# Altium PCB SAFETY_2019_v_3_0.PcbDoc (part 1 of 2)
Units mm, origin at the board's own origin, x right, y up, seen from the top; angles counter-clockwise.
Board outline 100 x 100 mm, 2 copper layers (Top Layer, Bottom Layer); 241 components, 142 nets, 742 pads, 116 vias.
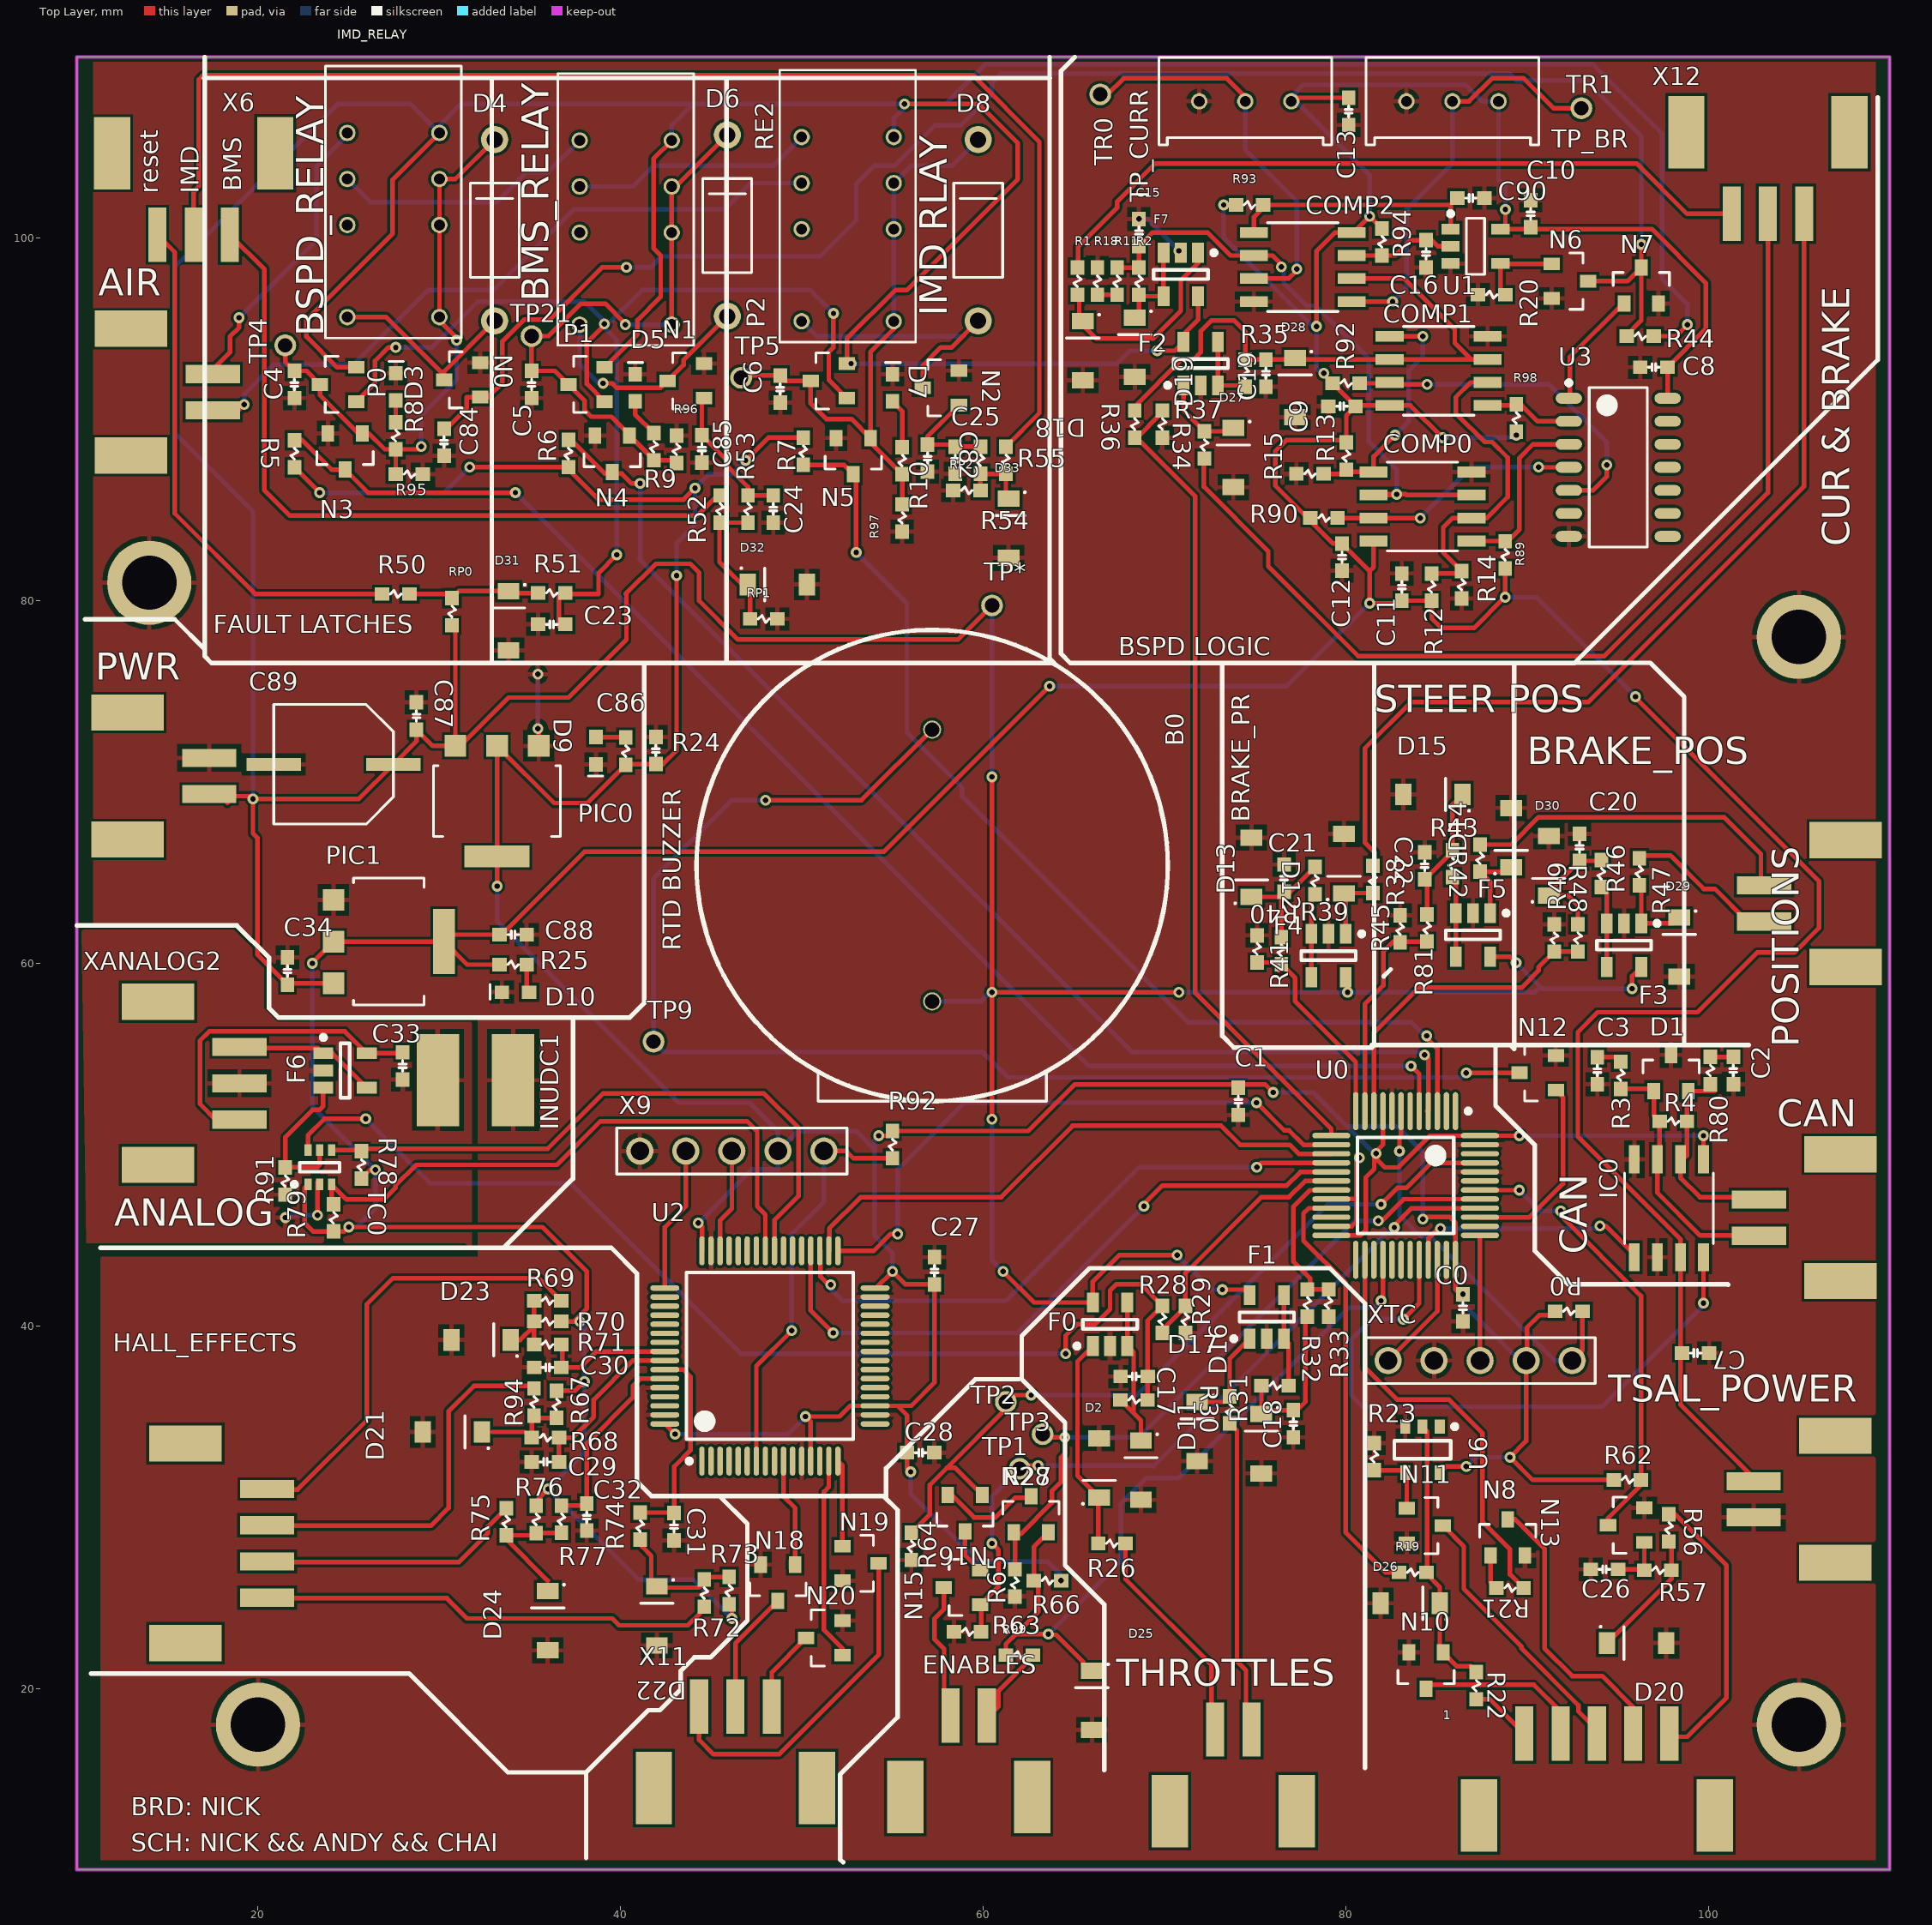
[diagram p0: Top Layer view]
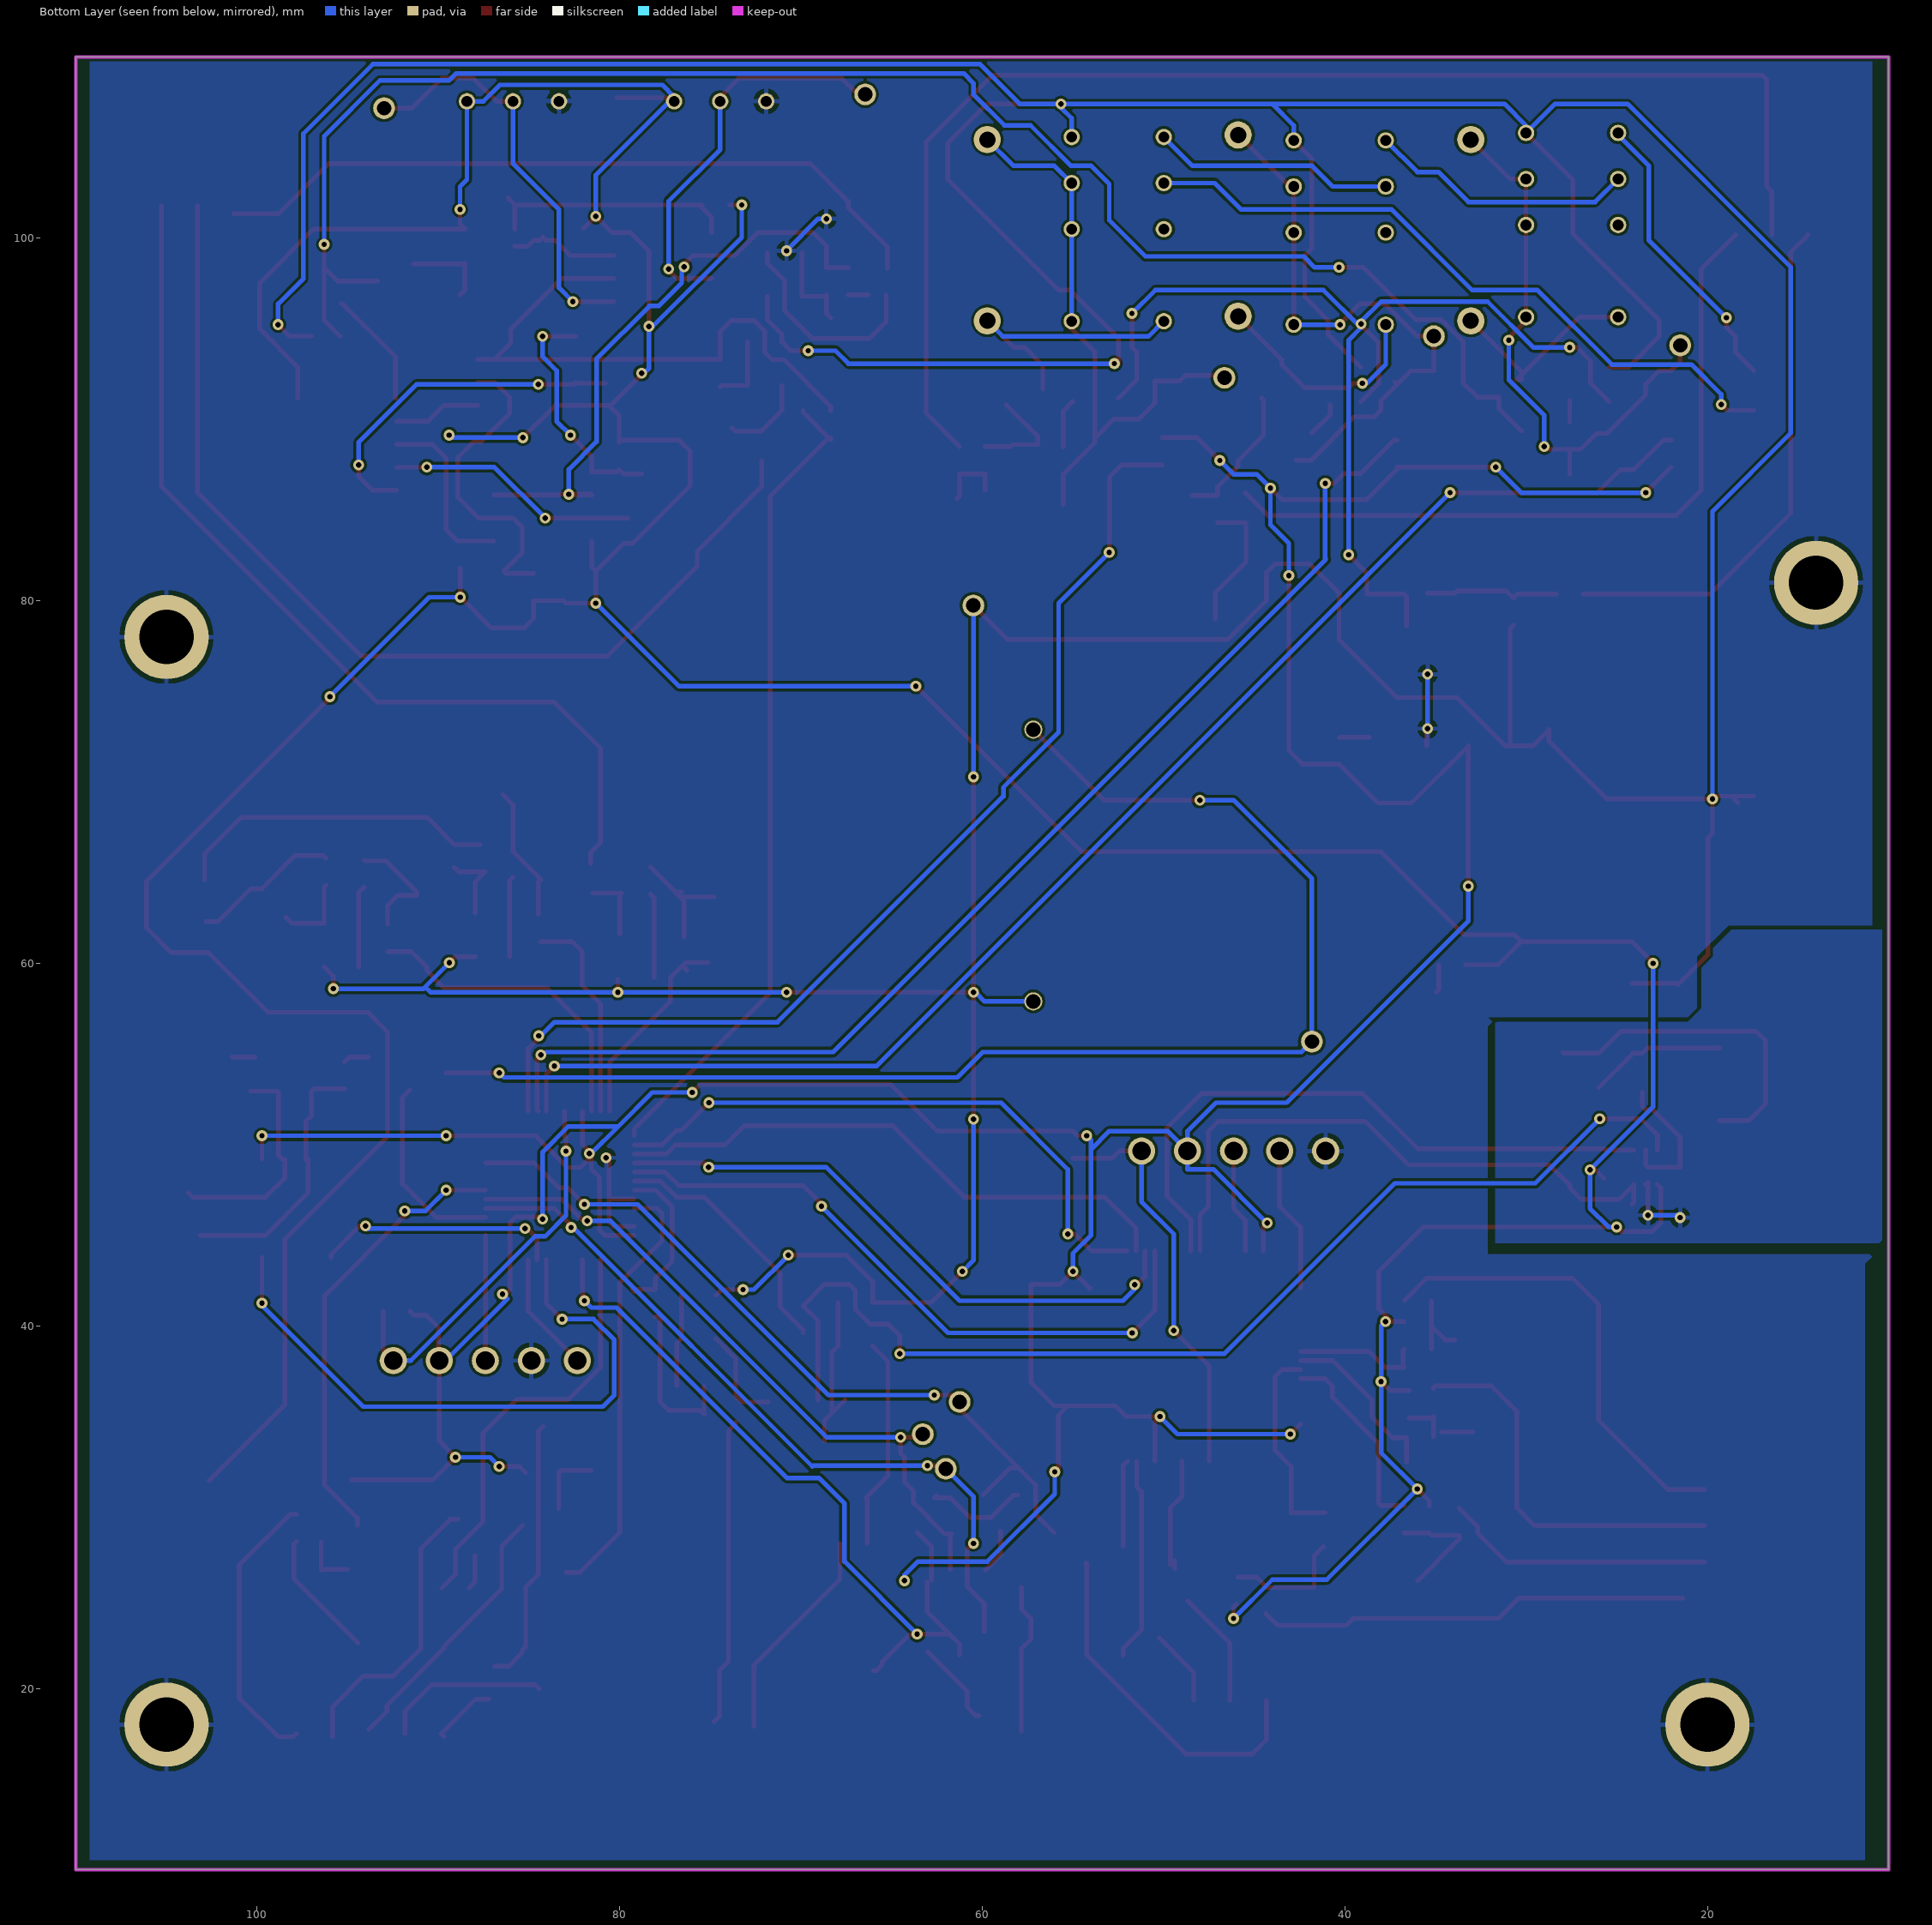
[diagram p1: Bottom Layer view, seen from below]
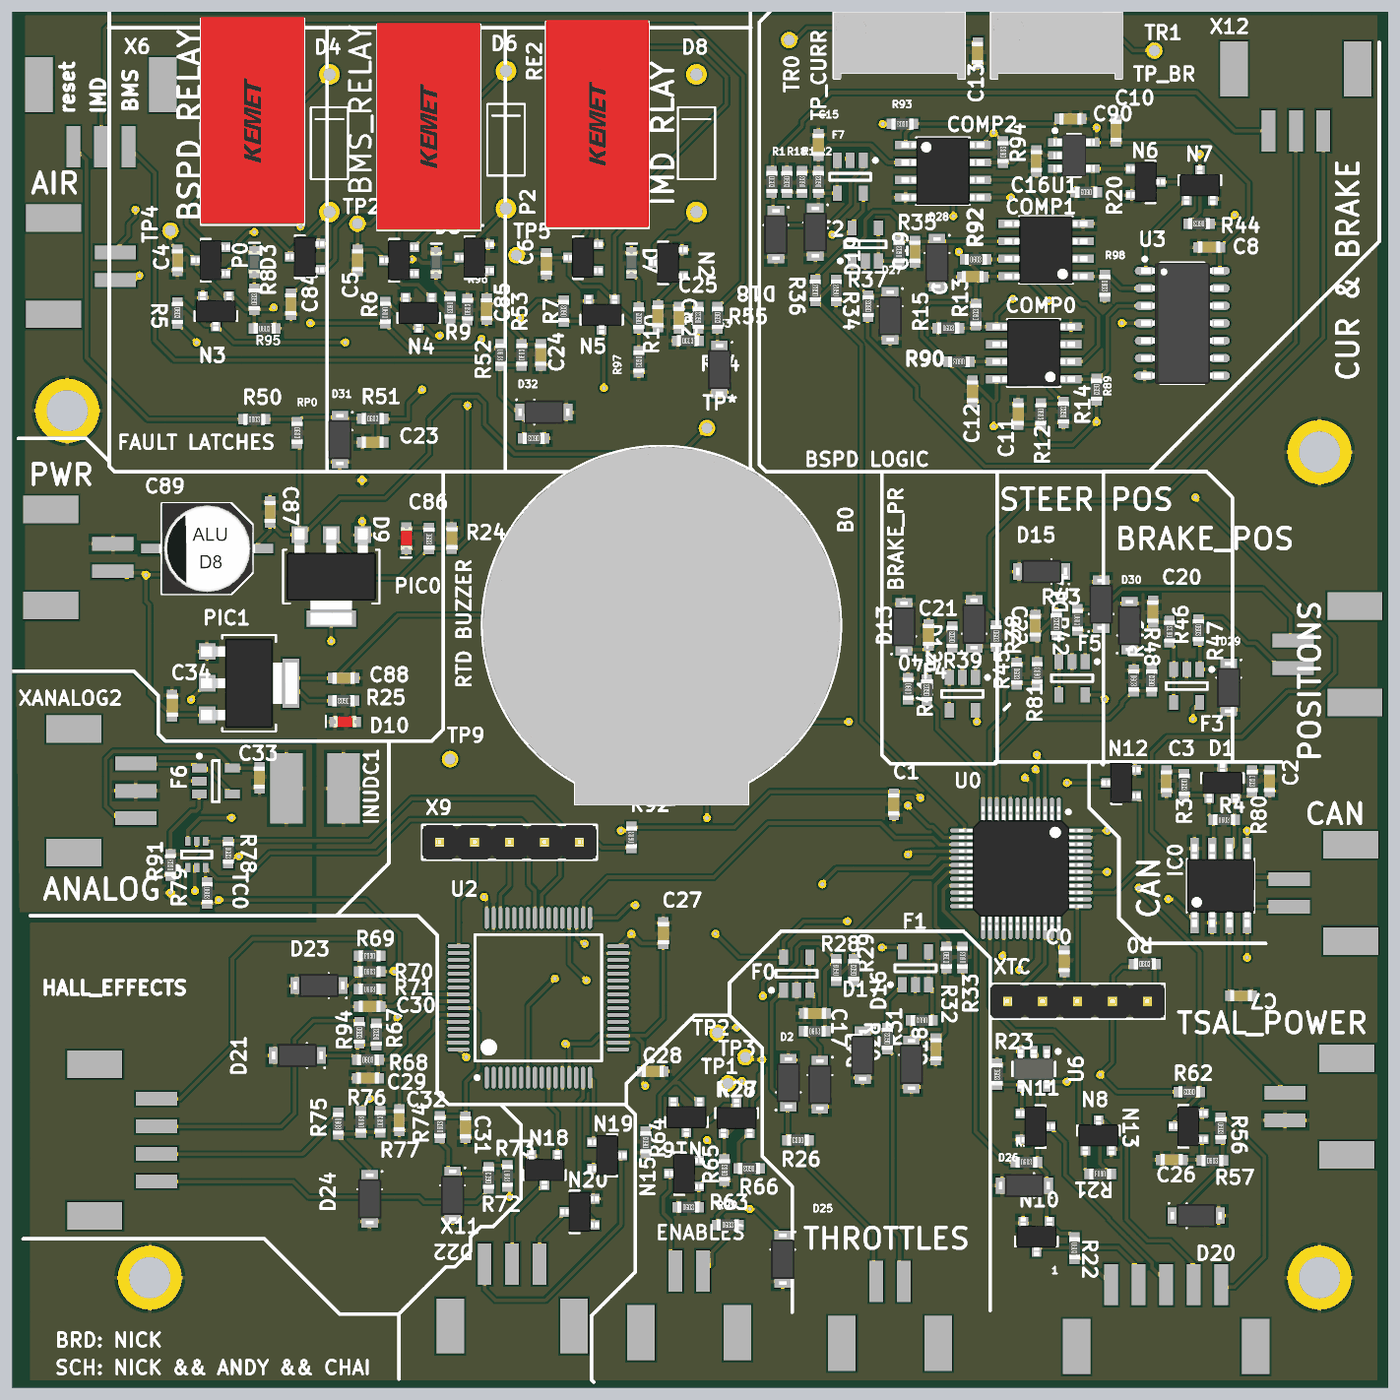
[diagram p3: 3D render of the assembled board from above, using the file's embedded part models]

## Layer stack, top to bottom
Top Solder: solder mask 0.0102, Solder Resist, Dk 3.5
Top Layer: signal copper 0.0356
Dielectric 1: dielectric 0.32, FR-4, Dk 4.8
Bottom Layer: signal copper 0.0356
Bottom Solder: solder mask 0.0102, Solder Resist, Dk 3.5

## Board outline
10,10 110,10 110,110 10,110

## Design rules (kind name [scope] priority, off if disabled: settings)
BoardOutlineClearance [All] p1: gap=0.2 ignorepadtopadclearanceinfootprint=FALSE
Clearance [All] p1: gap=0.152 ignorepadtopadclearanceinfootprint=FALSE
HoleSize [All] p1: absolutevalues=TRUE maxlimit=10 minlimit=0.3 maxpercent=80.000 minpercent=20.000
MinimumAnnularRing [All] p1: minimumring=0.076
MinimumSolderMaskSliver [All] p1: minsoldermaskwidth=0.2
PolygonConnect [All] p1: connectstyle=Relief reliefconductorwidth=0.254 reliefentries=4 polygonreliefangle="90 Angle" airgapwidth=0.254
RoutingVias [All] p1: holewidth=15 width=12.7 viastyle="Through Hole" minholewidth=0.3 minwidth=0.6 maxholewidth=0.3 maxwidth=0.6
SilkToSilkClearance [All] p1: silktosilkclearance=0
SilkToSolderMaskClearance [IsPad] p1: minsilkscreentomaskgap=0 clearancetoexposedcopper=TRUE
SolderMaskExpansion [All] p1: expansion=0.051
Width [All] p1: maxlimit=2.54 minlimit=0.152 preferedwidth=0.254
26 further rules are at their usual default settings.

## Classes and differential pairs
component class Safety_2019_V_3_0_uController: C0 C1 C2 C3 D1 IC0 R0 R3 R4 R80 U0 XTC
component class Safety_2019_V_3_0_TSAL: D26 N10 N11 R19 R22 R23 U6
component class Safety_2019_V_3_0_TC: C27 C28 C29 C30 C31 C32 C33 D21 D22 D23 D24 F6 N18 N19 N20 R67 R68 R69 R70 R71 R72 R73 R74 R75 R76 R77 R78 R79 R91 R92 R94 TC0 U2 X9
component class Safety_2019_V_3_0_RTDS: B0 N12 TP9 TP*
component class Safety_2019_V_3_0_Power_IC's: C34 C86 C87 C88 C89 D9 D10 PIC0 PIC1 R24 R25
component class Safety_2019_V_3_0_Faults: BMS_RELAY C4 C5 C6 C82 C84 C85 D3 D4 D5 D6 D7 D8 IMD_RELAY N0 N1 N2 N3 N4 N5 P0 P1 P2 R5 R6 R7 R8 R9 R10 R95 R96 R97 RE2
component class Safety_2019_V_3_0_Enable: D25 N15 N16 N28 R63 R64 R65 R66 R99
component class Safety_2019_V_3_0_Connectors: 1 AIR CAN ENABLES HALL_EFFECTS INUDC1 POSITIONS PWR THROTTLES TP1 TP2 TP3 TP4 TP5 TP21 TSAL_POWER X6 X11 X12 XANALOG2
component class Safety_2019_V_3_0_Connector_Filter: C15 C17 C18 C19 C20 C21 C22 C23 C24 C25 C26 D2 D11 D12 D13 D14 D15 D16 D17 D18 D19 D20 D27 D28 D29 D30 D31 D32 D33 F0 F1 F2 F3 F4 F5 F7 N13 R1 R2 R11 R18 R26 R27 R28 R29 R30 R31 R32 R33 R34 R35 R36 R37 R38 R39 R40 R41 R42 R43 R45 R46 R47 R48 R49 R50 R51 R52 R53 R54 R55 R56 R57 R62 R81 RP0 RP1 RP2
component class Safety_2019_V_3_0_BSPD: C7 C8 C9 C10 C11 C12 C13 C16 C90 COMP0 COMP1 COMP2 N6 N7 R12 R13 R14 R15 R20 R44 R89 R90 R92 R93 R94 R98 TP_BR TP_CURR TR0 TR1 U1 U3
component class Safety_2019_V_3_0_BRAKE_LIGHT: N8 R21

## Components (designator, comment, footprint, x,y, rotation, side; value= is the part's Value field where it differs from the comment)
1 "Molex 505575-05 5 Position 2.00mm pitch connector wire to board connector Datasheet" 505575-05 93.854,17 r180 top
AIR "Molex 505575-02 2 Position 2.00mm pitch connector wire to board connector Datasheet" 505575-02 17,91.509 r90 top
B0 "BUZZER_MAS806Q" BUZZER_MAS806Q 57.186,65.398 r270 top
BMS_RELAY "BMS RELAY" RELAY-DPDT_EC2 40.283,101.586 r90 top
C0 "1u" CAP-0603 86.465,40.995 r90 top
C1 "1u" CAP-0603 74.077,52.388 r90 top
C2 "560p" CAP-0603 101.382,54.088 r90 top
C3 "560p" CAP-0603 93.88,54.077 r90 top
C4 "10uF" CAP-0603 22.007,91.934 r270 top
C5 "10uF" CAP-0603 35.088,91.934 r270 top
C6 "10uF" CAP-0603 48.804,91.68 r270 top
C7 "0.1U" CAP-0603 99.3,38.5 r180 top
C8 "0.1u" CAP-0603 96.994,92.884 r0 top
C9 "0.1u" CAP-0603 79.792,90.73 r0 top
C10 "0.1u" CAP-0603 90.2,101.35 r270 top
C11 "0.1u" CAP-0603 83.094,80.758 r270 top
C12 "0.1u" CAP-0603 79.792,82.409 r90 top
C13 "0.1u" CAP-0603 80.161,107 r90 top
C15 "0.1u" CAP-0603 68.592,100.316 r90 top
C16 "3u" CAP-0603 84.43,99.145 r90 top
C17 "1u" CAP-0603 68.331,37.21 r180 top
C18 "1u" CAP-0603 77.113,34.6 r270 top
C19 "0.01u" CAP-0603 75.6,92.557 r270 top
C20 "0.01u" CAP-0603 92.9,66.4 r90 top
C21 "0.01u" CAP-0603 76.595,64.7 r90 top
C22 "0.01u" CAP-0603 84.355,65.38 r90 top
C23 "0.1u" CAP-0603 36.2,78.7 r0 top
C24 "0.1u" CAP-0603 48.423,85.064 r90 top
C25 "0.1u" CAP-0603 58.456,87.755 r90 top
C26 "0.1u" CAP-0603 94.27,26.569 r0 top
C27 "1u" CAP-0603 57.313,43.039 r270 top
C28 "1u" CAP-0603 56.551,33.006 r180 top
C29 "10nf" CAP-0603 35.85,32.498 r0 top
C30 "10nf" CAP-0603 35.977,37.705 r0 top
C31 "10nf" CAP-0603 42.95,28.921 r90 top
C32 "10nf" CAP-0603 38.136,29.45 r90 top
C33 "1u" CAP-0603 27.976,54.342 r90 top
C34 "4.7u" CAP-0603 21.626,59.573 r270 top
C82 "0.1u" CAP-0603 56.932,87.87 r90 top
C84 "0.1u" CAP-0603 30.262,88.75 r90 top
C85 "0.1u" CAP-0603 44.486,88.378 r90 top
C86 "2.2u" CAP-0603 41.946,71.741 r270 top
C87 "4.7u" CAP-0603 28.738,73.646 r270 top
C88 "2.2u" CAP-0603 34.073,61.581 r180 top
C89 "CAP-220uF-6.3D7.7H-SMD" CAP-6.3D7.7H-SMD 24.166,70.979 r180 top
C90 "3u" CAP-0603 86.904,102.221 r180 top
CAN "Molex 505575-02 2 Position 2.00mm pitch connector wire to board connector Datasheet" 505575-02 103.287,45.969 r270 top
COMP0 "IC-SOIC8_LM393" SOIC8 84.237,85.203 r90 top
COMP1 "IC-SOIC8_LM393" SOIC8 85.126,92.684 r90 top
COMP2 "IC-SOIC8_LM393" SOIC8 77.633,98.411 r270 top
D1 "DIODE-SOT23_PESD1CAN" SOT23 97.944,53.95 r0 top
D2 "?" SOD123 66.4,32.169 r90 top
D3 "LEDBLUE" LEDBLUE-0603 27.595,91.807 r90 top
D4 "1N914" DO41-10 33.056,100.443 r90 top
D5 "LEDBLUE" LEDBLUE-0603 40.803,91.75 r90 top
D6 "1N914" DO41-10 45.883,100.697 r90 top
D7 "LEDBLUE" LEDBLUE-0603 55,91.75 r90 top
D8 "1N914" DO41-10 59.726,100.443 r90 top
D9 "LEDRED-0603" LEDRED-0603 38.644,71.729 r270 top
D10 "LEDRED-0603" LEDRED-0603 34.2,58.406 r180 top
D11 "?" SOD123 68.7,32.035 r270 top
D12 "?" SOD123 79.9,65.5 r90 top
D13 "?" SOD123 74.801,65.3 r90 top
D14 "?" SOD123 89.13,66.935 r90 top
D15 "?" SOD123 84.812,69.317 r180 top
D16 "?" SOD123 75.344,33.5 r270 top
D17 "?" SOD123 71.8,34.171 r270 top
D18 "?" SOD123 65.5,93.8 r270 top
D19 "?" SOD123 68.362,93.982 r270 top
D20 "12V ZENER" SOD123 96.048,22.505 r0 top
D21 "?" SOD123 30.719,34.149 r180 top
D22 "?" SOD123 42,24 r270 top
D23 "?" SOD123 32.3,39.229 r180 top
D24 "?" SOD123 35.977,23.735 r270 top
D25 "12V ZENER" SOD123 66,19.345 r270 top
D26 "12V ZENER" SOD123 83.553,24.7 r180 top
D27 "?" SOD123 73.8,87.9 r270 top
D28 "?" SOD123 77.2,91.765 r270 top
D29 "?" SOD123 98.4,60.9 r270 top
D30 "?" SOD123 91.2,65.38 r90 top
D31 "12V ZENER" SOD123 33.818,78.9 r270 top
D32 "12V ZENER" SOD123 48.646,80.9 r0 top
D33 "12V ZENER" SOD123 61.4,84 r270 top
ENABLES "Molex 505575-02 2 Position 2.00mm pitch connector wire to board connector Datasheet" 505575-02 59.202,18 r180 top
F0 "LMV321M5X" MF05A_N 67,40.09 r90 top
F1 "LMV321M5X" MF05A_N 75.645,40.492 r90 top
F2 "LM321" MF05A_N 72,93.084 r90 top
F3 "LMV321M5X" MF05A_N 95.352,61.003 r270 top
F4 "LMV321M5X" MF05A_N 79.05,60.427 r270 top
F5 "LMV321M5X" MF05A_N 87.022,61.57 r270 top
F6 "LMV321M5X" MF05A_N 24.801,54.088 r0 top
F7 "LMV321M5X" MF05A_N 70.902,98 r270 top
HALL_EFFECTS "Molex 505575-04 4 Position 2.00mm pitch connector wire to board connector Datasheet" 505575-04 20,28.005 r90 top
IC0 "IC-SOIC8_MCP2562" SOIC8 97.826,46.489 r0 top
IMD_RELAY "IMD_RELAY" RELAY-DPDT_EC2 27.466,102 r90 top
INUDC1 "6045" IND-6045 31.997,53.556 r180 top
N0 "NMOS-SOT23" SOT23 31.262,92.188 r90 top
N1 "NMOS-SOT23" SOT23 43.597,92.134 r90 top
N2 "NMOS-SOT23" SOT23 57.663,91.75 r90 top
N3 "NMOS-SOT23" SOT23 24.801,88.235 r180 top
N4 "NMOS-SOT23" SOT23 39.537,88.112 r180 top
N5 "NMOS-SOT23" SOT23 52.836,87.981 r180 top
N6 "IRLML6346PBF" SOT23 92.365,97.632 r270 top
N7 "IRLML6346PBF" SOT23 96.302,97.395 r0 top
N8 "DNBT8105" SOT23 88.936,28.332 r0 top
N10 "NMOS-SOT23" SOT23 84.43,20.982 r180 top
N11 "NMOS-SOT23" SOT23 84.364,28.983 r270 top
N12 "NMOS-SOT23" SOT23 90.587,53.961 r90 top
N13 "NMOS-SOT23" SOT23 95.471,29.005 r90 top
N15 "NMOS-SOT23" SOT23 58.832,25.567 r90 top
N16 "NMOS-SOT23" SOT23 59,29.671 r180 top
N18 "NMOS-SOT23" SOT23 48.677,25.828 r180 top
N19 "NMOS-SOT23" SOT23 53.233,26.895 r270 top
N20 "NMOS-SOT23" SOT23 51.233,22.785 r90 top
N28 "NMOS-SOT23" SOT23 62.642,29.605 r0 top
P0 "PMOS-SOT23" SOT23 24.42,91.934 r90 top
P1 "PMOS-SOT23" SOT23 38.12,91.934 r90 top
P2 "PMOS-SOT23" SOT23 51.487,92.134 r90 top
PIC0 "LDO-3.3V-SPX1117" SOT223 33.183,68.947 r180 top
PIC1 "LDO-5V_SPX1117" SOT223 27.214,61.2 r270 top
POSITIONS "Molex 505575-02 2 Position 2.00mm pitch connector wire to board connector Datasheet" 505575-02 103.579,63.303 r270 top